# KiCad board Tartarus Liquid Rocketry Control System.kicad_pcb
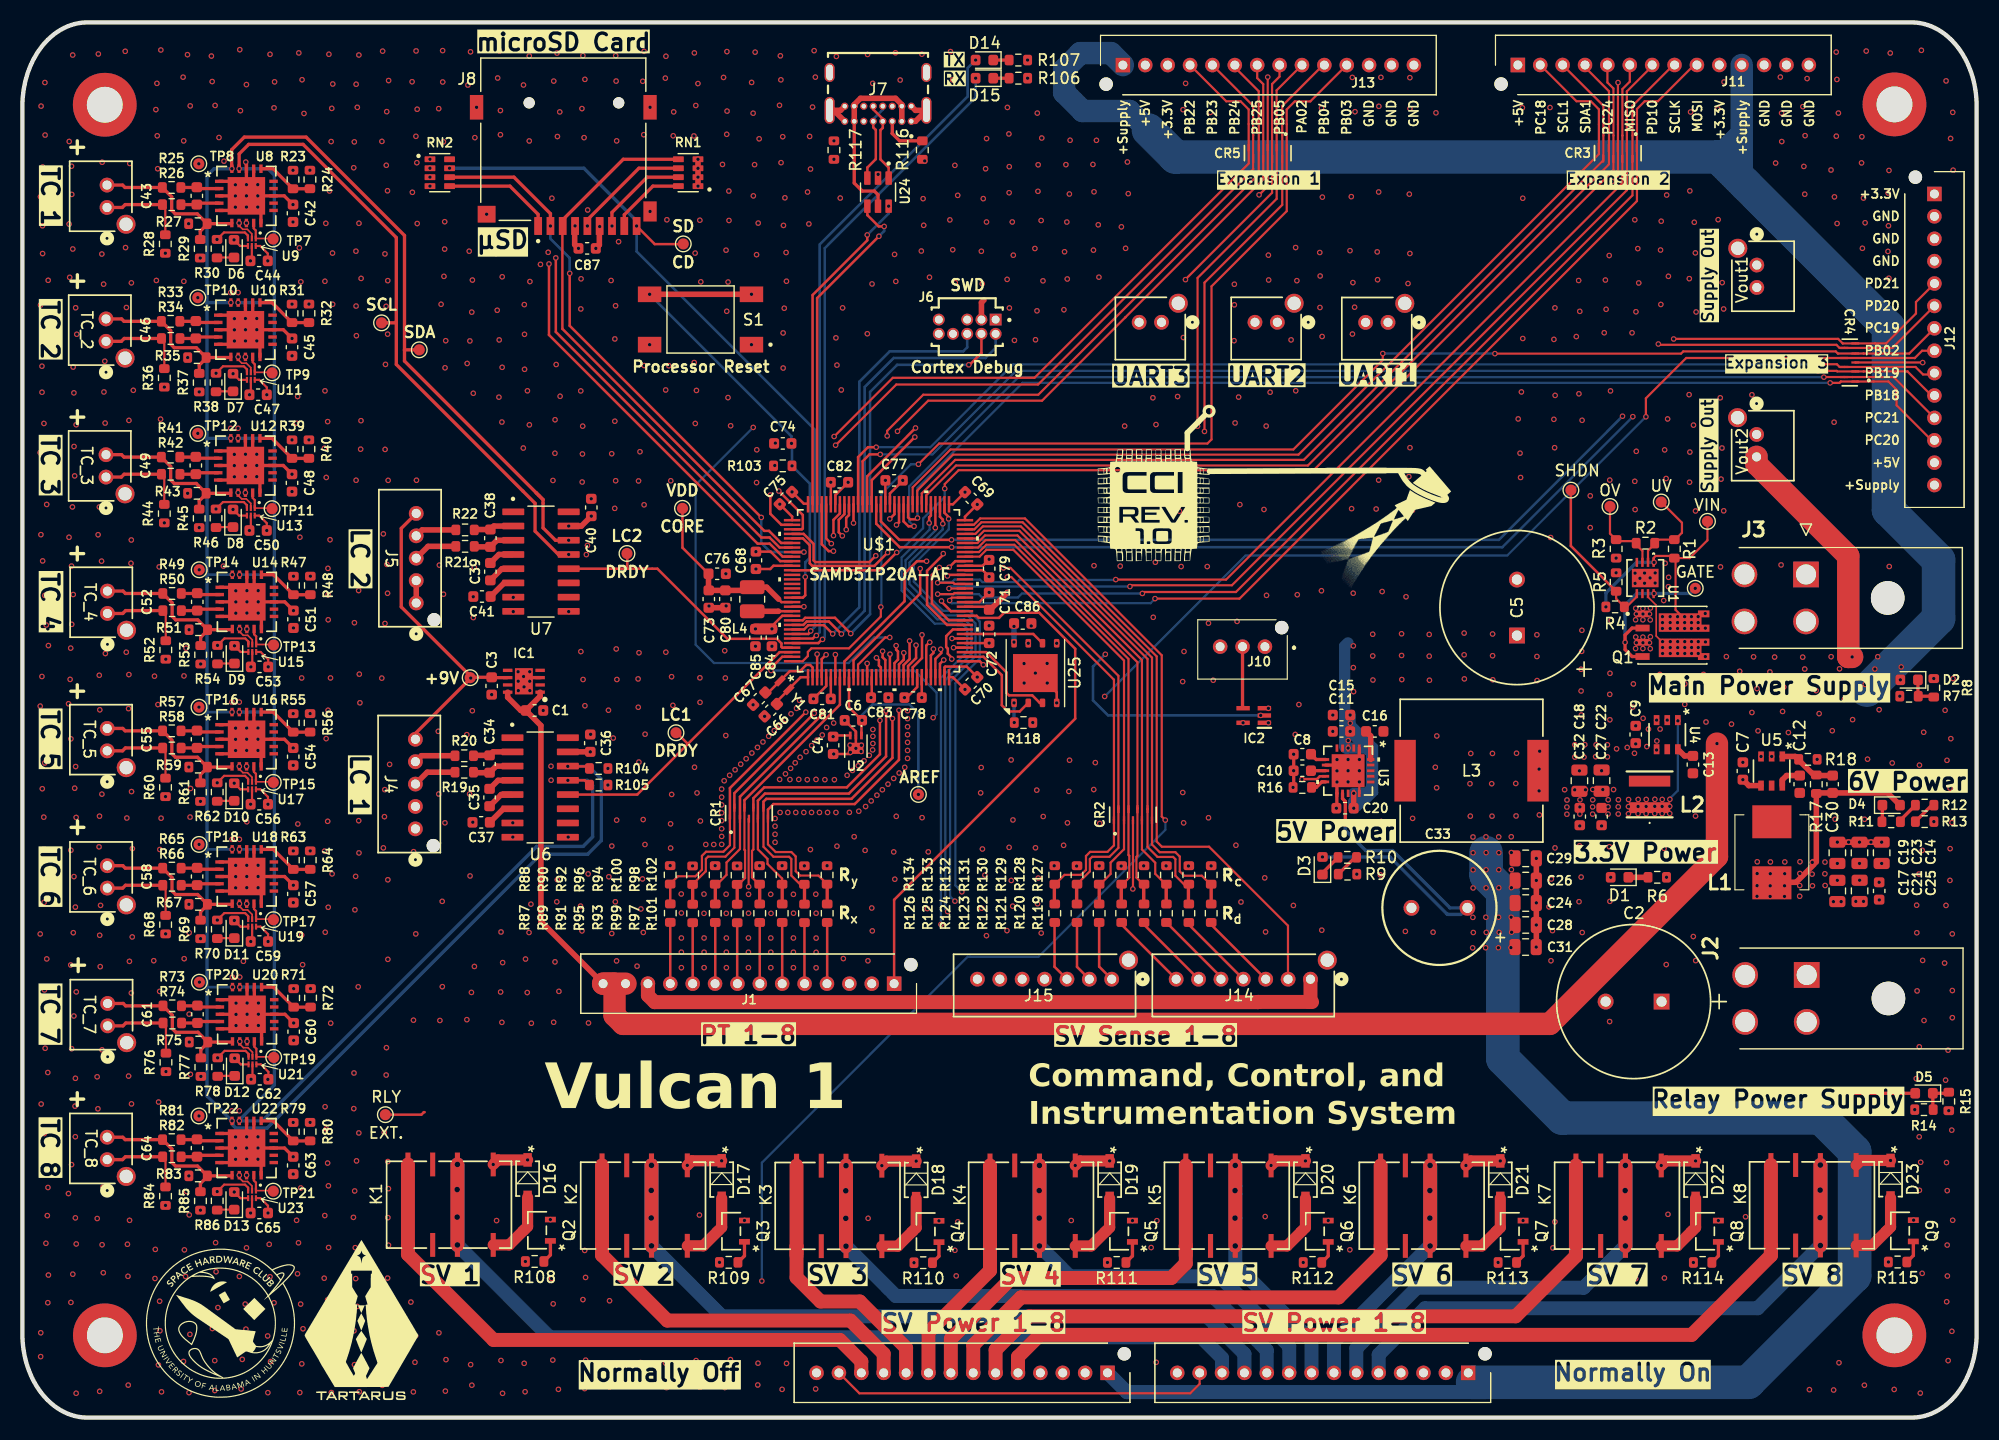
[diagram p0: board, top side]
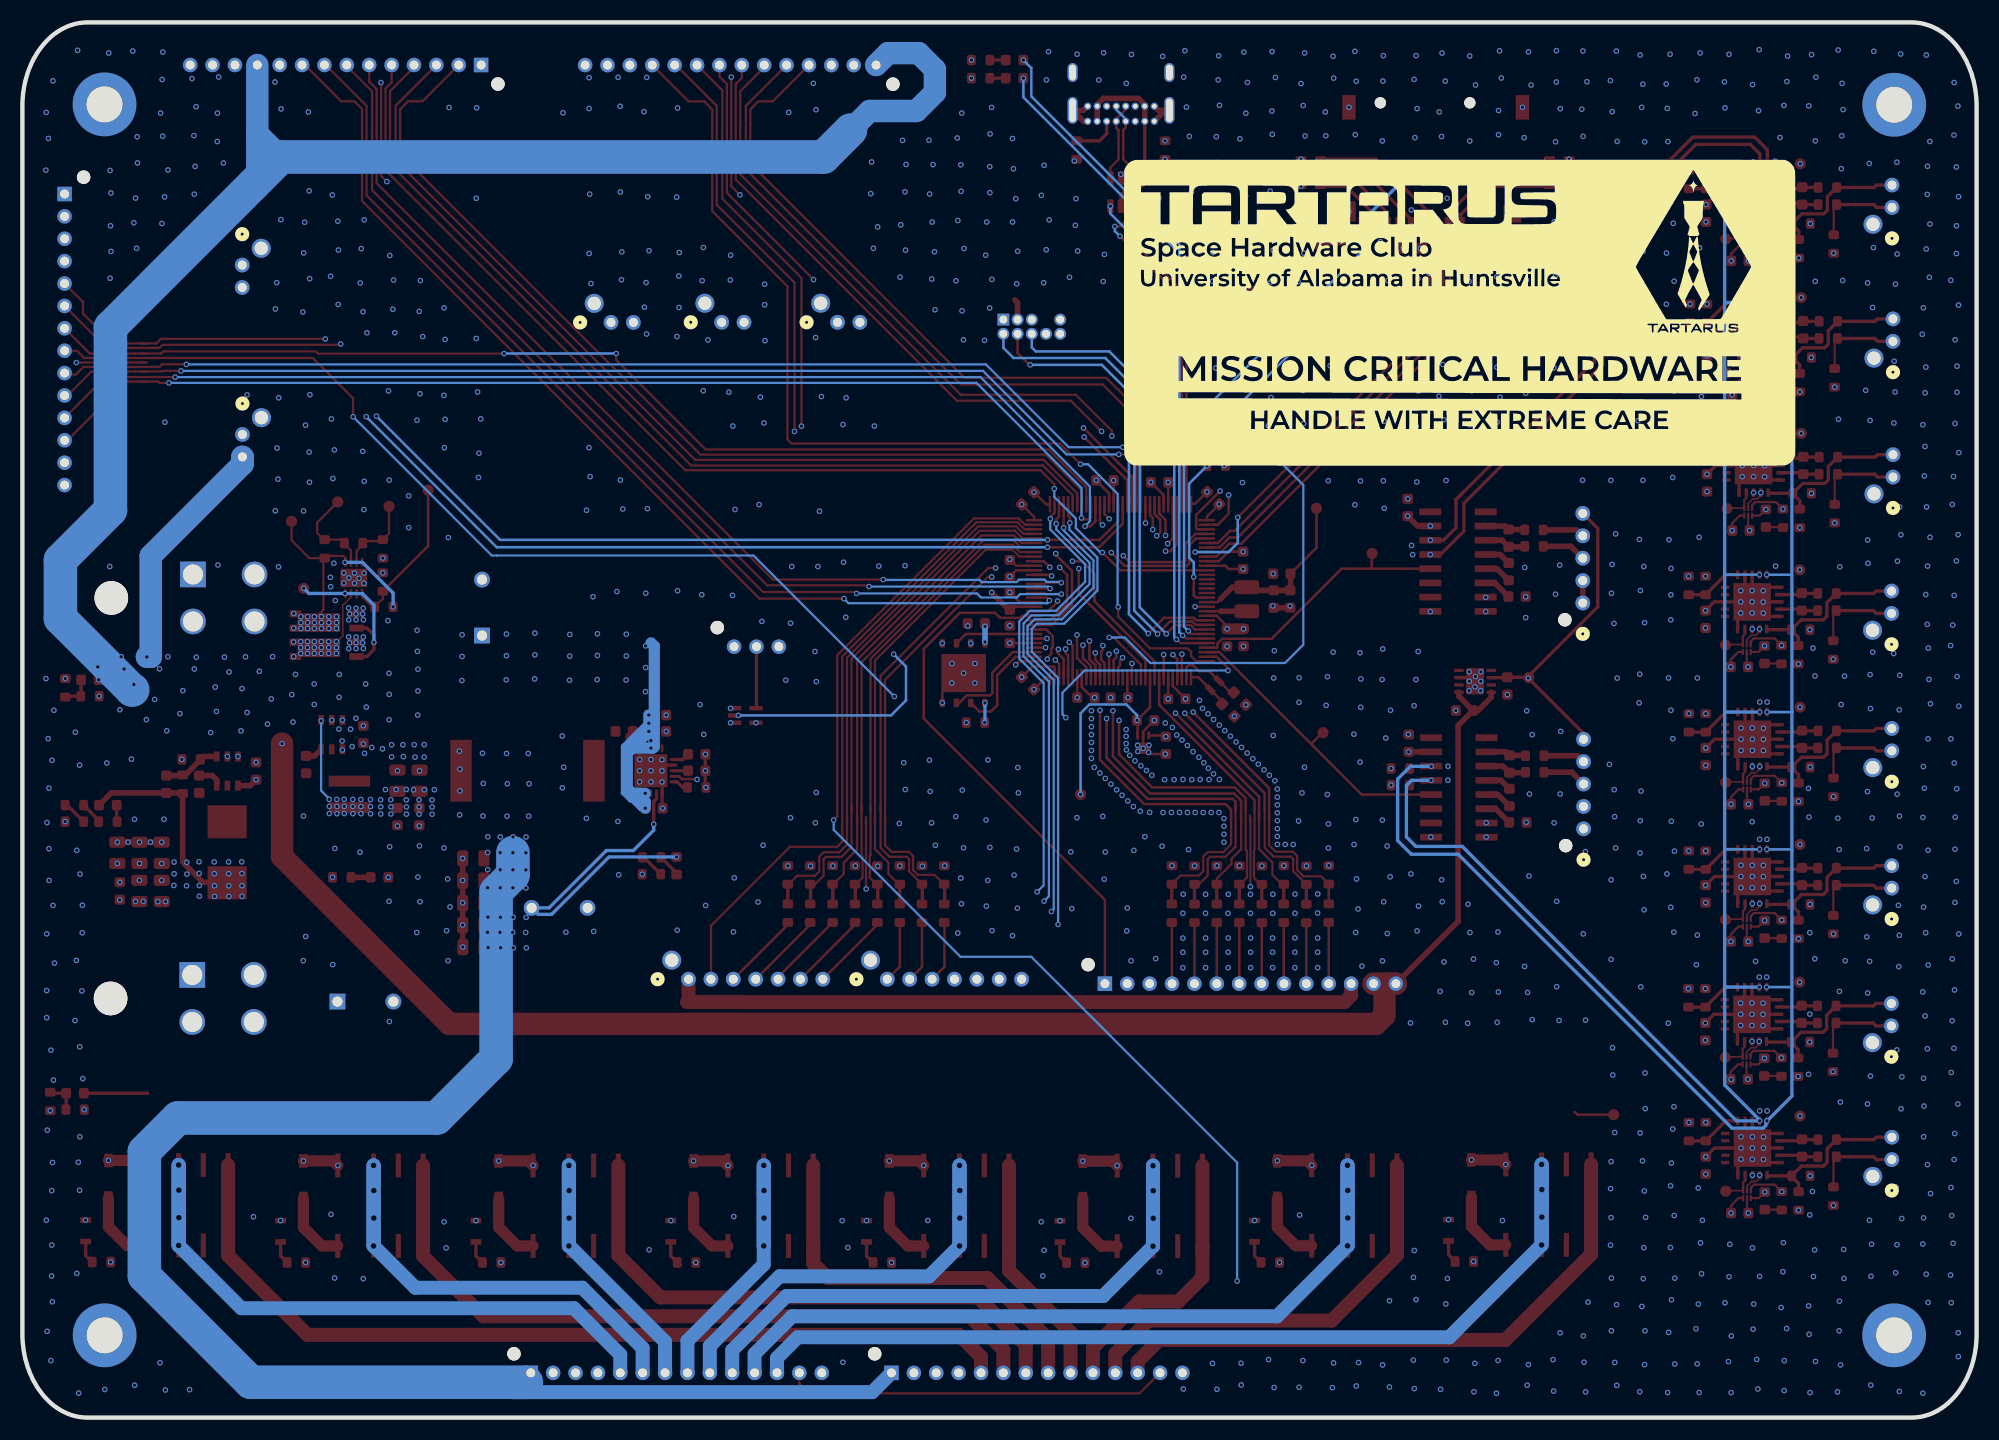
[diagram p1: board, bottom side, seen from below]

Outline 174.61 x 124.61 mm; copper layers: Top, In1.Cu, In2.Cu, In3.Cu, In4.Cu, Bottom. Coordinates in mm from the lower left corner of the outline.
Outline path: 0.01,117.52 0.03,117.9 0.12,118.64 0.26,119.36 0.46,120.04 0.7,120.7 0.99,121.31 1.33,121.89 1.7,122.42 1.91,122.67 2.12,122.9 2.34,123.13 2.57,123.33 2.8,123.53 3.05,123.71 3.3,123.87 3.55,124.02 3.82,124.16 4.09,124.27 4.37,124.38 4.65,124.46 4.93,124.52 5.23,124.57 5.52,124.6 5.82,124.61 168.79,124.61 169.09,124.6 169.39,124.57 169.68,124.52 169.96,124.46 170.24,124.38 170.52,124.27 170.79,124.16 171.06,124.02 171.31,123.87 171.56,123.71 171.81,123.53 172.04,123.33 172.27,123.13 172.49,122.9 172.7,122.67 172.91,122.42 173.1,122.16 173.28,121.89 173.45,121.61 173.62,121.31 173.77,121.01 173.91,120.7 174.04,120.38 174.15,120.04 174.26,119.7 174.35,119.36 174.43,119 174.49,118.64 174.54,118.27 174.58,117.9 174.6,117.52 174.61,117.13 174.61,7.48 174.6,7.09 174.58,6.71 174.49,5.97 174.35,5.25 174.15,4.57 173.91,3.91 173.62,3.3 173.28,2.72 172.91,2.19 172.7,1.94 172.49,1.71 172.27,1.49 172.04,1.28 171.81,1.08 171.56,0.9 171.31,0.74 171.06,0.59 170.79,0.45 170.52,0.34 170.24,0.24 169.96,0.15 169.68,0.09 169.39,0.04 169.09,0.01 168.79,0 5.82,0 5.52,0.01 5.23,0.04 4.93,0.09 4.65,0.15 4.37,0.24 4.09,0.34 3.82,0.45 3.55,0.59 3.3,0.74 3.05,0.9 2.8,1.08 2.57,1.28 2.34,1.49 2.12,1.71 1.91,1.94 1.7,2.19 1.51,2.45 1.33,2.72 1.16,3 0.99,3.3 0.84,3.6 0.7,3.91 0.57,4.24 0.46,4.57 0.35,4.91 0.26,5.25 0.18,5.61 0.12,5.97 0.07,6.34 0.03,6.71 0.01,7.09 0,7.48 0,117.13 closed
Stack: Top 0.035mm / dielectric 0.203mm FR4 er 4.5 / In1.Cu 0.03mm / dielectric 0.25mm FR4 er 4.5 / In2.Cu 0.03mm / dielectric 0.513mm FR4 er 4.5 / In3.Cu 0.03mm / dielectric 0.25mm FR4 er 4.5 / In4.Cu 0.03mm / dielectric 0.203mm FR4 er 4.5 / Bottom 0.035mm

## Placement (name value [footprint] x y rotation side)
C1  10uF  [C_0603_1608Metric]  45.76 63.16 0 top
C2  680uF  [CAP_PY-13x20_KEM_A759PY687M1HAAE026]  146.46 37.16 180 top
C3  10uF  [C_0603_1608Metric]  41.93 65.35 270 top
C4  0u1  [C_0603_1608Metric]  72.44 60.04 270 top
C5  680uF  [CAP_PY-13x20_KEM_A759PY687M1HAAE026]  133.54 69.85 90 top
C6  0u1  [C_0603_1608Metric]  74.25 62.27 180 top
C7  10uF  [C_0603_1608Metric]  153.73 57.75 270 top
C8  2u2F  [C_0603_1608Metric]  114.36 59.25 180 top
C9  10uF  [C_0603_1608Metric]  144.15 61.01 270 top
C10  5600pF  [C_0603_1608Metric]  114.36 57.78 180 top
C11  4u7F  [C_0603_1608Metric]  117.86 61.29 180 top
C12  100nF  [C_0603_1608Metric]  158.81 56.57 270 top
C13  100nF  [C_0603_1608Metric]  149.26 58.32 270 top
C14  22uF  [C_0805_2012Metric]  166.13 50.44 90 top
C15  4u7F  [C_0603_1608Metric]  117.86 62.75 180 top
C16  0u1  [C_0603_1608Metric]  120.84 61.29 180 top
C17  22uF  [C_0805_2012Metric]  162.16 47.04 270 top
C18  22uF  [C_0805_2012Metric]  139.12 56.88 90 top
C19  22uF  [C_0805_2012Metric]  162.17 50.44 90 top
C20  4u7F  [C_0603_1608Metric]  118.18 54.43 180 top
C21  22uF  [C_0805_2012Metric]  164.16 47.04 270 top
C22  22uF  [C_0805_2012Metric]  141.1 56.89 90 top
C23  22uF  [C_0805_2012Metric]  164.15 50.44 90 top
C24  22uF  [C_0805_2012Metric]  134.32 45.96 0 top
C25  4u7F  [C_0603_1608Metric]  165.9 47.04 270 top
C26  22uF  [C_0805_2012Metric]  134.32 47.97 0 top
C27  4u7F  [C_0603_1608Metric]  141.1 53.68 270 top
C28  22uF  [C_0805_2012Metric]  134.32 44 0 top
C29  22uF  [C_0805_2012Metric]  134.32 49.95 0 top
C30  100pF  [C_0603_1608Metric]  161.75 56.57 90 top
C31  22uF  [C_0805_2012Metric]  134.31 42.03 0 top
C32  1uF  [C_0603_1608Metric]  139.15 53.68 270 top
C33  220uF  [WCAP-PTHR_10X12.5_DXL_870055675009]  126.61 45.53 0 top
C34  0u1F  [C_0603_1608Metric]  41.74 58.37 270 top
C35  470pF  [C_0603_1608Metric]  41.74 55.38 270 top
C36  0u1F  [C_0603_1608Metric]  50.74 60.24 270 top
C37  0u1F  [C_0603_1608Metric]  40.99 53.16 0 top
C38  0u1F  [C_0603_1608Metric]  41.81 78.54 270 top
C39  470pF  [C_0603_1608Metric]  41.81 75.55 270 top
C40  0u1F  [C_0603_1608Metric]  50.83 81.29 270 top
C41  0u1F  [C_0603_1608Metric]  41.06 73.33 0 top
C42  0u1  [C_0603_1608Metric]  24.18 107.56 90 top
C43  0u1  [C_0603_1608Metric]  15.59 109.12 270 top
C44  0u1  [C_0603_1608Metric]  21.15 103.31 0 top
C45  0u1  [C_0603_1608Metric]  24.09 95.61 90 top
C46  0u1  [C_0603_1608Metric]  15.5 97.16 270 top
C47  0u1  [C_0603_1608Metric]  21.06 91.36 0 top
C48  0u1  [C_0603_1608Metric]  24.09 83.48 90 top
C49  0u1  [C_0603_1608Metric]  15.5 85.04 270 top
C50  0u1  [C_0603_1608Metric]  21.06 79.23 0 top
C51  0u1  [C_0603_1608Metric]  24.22 71.3 90 top
C52  0u1  [C_0603_1608Metric]  15.63 72.86 270 top
C53  0u1  [C_0603_1608Metric]  21.19 67.05 0 top
C54  0u1  [C_0603_1608Metric]  24.2 59.03 90 top
C55  0u1  [C_0603_1608Metric]  15.6 60.59 270 top
C56  0u1  [C_0603_1608Metric]  21.17 54.78 0 top
C57  0u1  [C_0603_1608Metric]  24.21 46.77 90 top
C58  0u1  [C_0603_1608Metric]  15.61 48.33 270 top
C59  0u1  [C_0603_1608Metric]  21.18 42.52 0 top
C60  0u1  [C_0603_1608Metric]  24.24 34.47 90 top
C61  0u1  [C_0603_1608Metric]  15.64 36.02 270 top
C62  0u1  [C_0603_1608Metric]  21.21 30.22 0 top
C63  0u1  [C_0603_1608Metric]  24.2 22.52 90 top
C64  0u1  [C_0603_1608Metric]  15.6 24.08 270 top
C65  0u1  [C_0603_1608Metric]  21.17 18.27 0 top
C66  12pF  [C_0603_1608Metric]  66.87 63.18 45 top
C67  12pF  [C_0603_1608Metric]  65.84 64.21 45 top
C68  0u1F  [C_0603_1608Metric]  65.54 76.57 90 top
C69  0u1F  [C_0603_1608Metric]  84.77 82.11 315 top
C70  0u1F  [C_0603_1608Metric]  84.77 65.59 45 top
C71  0u1F  [C_0603_1608Metric]  86.38 72.93 270 top
C72  0u1F  [C_0603_1608Metric]  86.38 69.95 90 top
C73  0u1F  [C_0603_1608Metric]  61.33 73.11 270 top
C74  0u1F  [C_0603_1608Metric]  67.94 87.01 180 top
C75  0u1F  [C_0603_1608Metric]  68.22 82.13 45 top
C76  1uF  [C_0603_1608Metric]  62.08 75.37 0 top
C77  0u1F  [C_0603_1608Metric]  77.89 83.71 0 top
C78  0u1F  [C_0603_1608Metric]  79.59 64.31 0 top
C79  0u1F  [C_0603_1608Metric]  86.38 75.83 270 top
C80  10uF  [C_0603_1608Metric]  62.81 73.11 270 top
C81  0u1F  [C_0603_1608Metric]  71.46 64.2 180 top
C82  0u1F  [C_0603_1608Metric]  73.01 83.54 0 top
C83  0u1F  [C_0603_1608Metric]  76.6 64.31 0 top
C84  0u1F  [C_0603_1608Metric]  66.97 69.67 270 top
C85  0u1F  [C_0603_1608Metric]  65.5 69.67 270 top
C86  0u1F  [C_0603_1608Metric]  89.38 70.93 0 top
C87  1uF  [C_0603_1608Metric]  50.46 104.43 0 top
CR1  AQ7538-08UTG  [uDFN-9_3p8x1p0_LTF]  64.92 53.99 90 top
CR2  AQ7538-08UTG  [uDFN-9_3p8x1p0_LTF]  99.23 53.85 90 top
CR3  AQ7538-08UTG  [uDFN-9_3p8x1p0_LTF]  142.55 112.93 270 top
CR4  AQ7538-08UTG  [uDFN-9_3p8x1p0_LTF]  163.28 94.24 180 top
CR5  AQ7538-08UTG  [uDFN-9_3p8x1p0_LTF]  111.27 112.93 270 top
D1  LEDG  [LED_0603_1608Metric]  142.7 48.26 180 top
D2  LEDG  [LED_0603_1608Metric]  168.58 65.89 180 top
D3  LEDG  [LED_0603_1608Metric]  116.16 49.29 90 top
D4  LEDG  [LED_0603_1608Metric]  166.98 54.7 0 top
D5  LEDG  [LED_0603_1608Metric]  169.91 28.97 180 top
D6  LEDR  [LED_0603_1608Metric]  18.91 104.4 90 top
D7  LEDR  [LED_0603_1608Metric]  18.82 92.45 90 top
D8  LEDR  [LED_0603_1608Metric]  18.82 80.32 90 top
D9  LEDR  [LED_0603_1608Metric]  18.95 68.14 90 top
D10  LEDR  [LED_0603_1608Metric]  18.93 55.87 90 top
D11  LEDR  [LED_0603_1608Metric]  18.94 43.61 90 top
D12  LEDR  [LED_0603_1608Metric]  18.97 31.31 90 top
D13  LEDR  [LED_0603_1608Metric]  18.93 19.36 90 top
D14  LEDA  [LED_0603_1608Metric]  85.96 119.63 180 top
D15  LEDA  [LED_0603_1608Metric]  85.96 121.25 180 top
D16  -  [MMSD701T1G]  45.14 21.34 270 top
D17  -  [MMSD701T1G]  62.48 21.26 270 top
D18  -  [MMSD701T1G]  79.86 21.23 270 top
D19  -  [MMSD701T1G]  97.15 21.25 270 top
D20  -  [MMSD701T1G]  114.64 21.25 270 top
D21  -  [MMSD701T1G]  132.05 21.25 270 top
D22  -  [MMSD701T1G]  149.5 21.25 270 top
D23  -  [MMSD701T1G]  166.92 21.29 270 top
G***  -  [LOGO]  17.7 8.42 0 top
H1  MountingHole  [MountingHole_3.2mm_M3_ISO7380_Pad_TopBottom]  7.36 117.25 0 top
H2  MountingHole  [MountingHole_3.2mm_M3_ISO7380_Pad_TopBottom]  167.27 117.29 0 top
H3  MountingHole  [MountingHole_3.2mm_M3_ISO7380_Pad_TopBottom]  167.26 7.35 0 top
H4  MountingHole  [MountingHole_3.2mm_M3_ISO7380_Pad_TopBottom]  7.37 7.35 0 top
IC1  RTQ2569-90GQW-QA  [SON65P300X300X80-9N]  44.81 65.76 180 top
IC2  SN74LV1T126DCKRG4  [SOT65P210X110-5N]  110.02 62.71 180 top
J1  B14B-PASK-1__LF__SN_  [B14BPASK1LFSN]  77.89 38.76 0 top
J2  2601-3102  [Molex_2x2_1724480004]  159.43 39.54 90 top
J3  2601-3102  [Molex_2x2_1724480004]  159.37 75.31 90 top
J4  B05B-PASK-1  [CONN_B05B-PASK-1_JST]  35.12 52.59 270 top
J5  B05B-PASK-1  [CONN_B05B-PASK-1_JST]  35.19 72.76 270 top
J6  FTSH-105-X-X-DV-007-P-X  [SAMTEC_FTSH-105-01-X-D-007-K]  84.42 97.43 180 top
J7  USB4085-GF-A_REVB  [GCT_USB4085-GF-A_REVB]  76.45 120.14 180 top
J8  MSD-4-A  [CUI_MSD-4-A]  48.33 114.18 180 top
J10  B03B-PASK-1_LF__SN_  [B03BPASK1LFSN]  109.37 68.61 0 top
J11  B14B-PASK-1__LF__SN_  [B14BPASK1LFSN]  133.62 120.81 180 top
J12  B14B-PASK-1__LF__SN_  [B14BPASK1LFSN]  170.84 109.29 90 top
J13  B14B-PASK-1__LF__SN_  [B14BPASK1LFSN]  98.33 120.8 180 top
J14  B07B-PASK-1  [CONN_B07B-PASK-1_JST]  115.09 39.16 0 top
J15  B07B-PASK-1  [CONN_B07B-PASK-1_JST]  97.33 39.16 0 top
K1  AGQ200A06  [RELAY_AGQ_A_PAN_AGQ200A06]  38.12 19.02 270 top
K2  AGQ200A06  [RELAY_AGQ_A_PAN_AGQ200A06]  55.46 18.94 270 top
K3  AGQ200A06  [RELAY_AGQ_A_PAN_AGQ200A06]  72.84 18.91 270 top
K4  AGQ200A06  [RELAY_AGQ_A_PAN_AGQ200A06]  90.13 18.93 270 top
K5  AGQ200A06  [RELAY_AGQ_A_PAN_AGQ200A06]  107.62 18.93 270 top
K6  AGQ200A06  [RELAY_AGQ_A_PAN_AGQ200A06]  125.03 18.93 270 top
K7  AGQ200A06  [RELAY_AGQ_A_PAN_AGQ200A06]  142.48 18.93 270 top
K8  AGQ200A06  [RELAY_AGQ_A_PAN_AGQ200A06]  159.9 18.97 270 top
L1  10uH  [SRP7028A3R3M]  156.32 50.49 90 top
L2  4u7H  [74438357047]  145.39 55.66 90 top
L3  8u2H  [IND_CB_DRA127]  129.48 57.78 0 top
L4  10uH  [L_1008_2520Metric]  65.21 73.09 270 top
Q1  SI7252DP-T1-GE3  [TRANS_SI7942DP-T1-E3]  147.43 69.88 0 top
Q2  2N7002K  [2N7002K_ONS]  45.99 16.73 180 top
Q3  2N7002K  [2N7002K_ONS]  63.33 16.65 180 top
Q4  2N7002K  [2N7002K_ONS]  80.71 16.62 180 top
Q5  2N7002K  [2N7002K_ONS]  98 16.64 180 top
Q6  2N7002K  [2N7002K_ONS]  115.49 16.64 180 top
Q7  2N7002K  [2N7002K_ONS]  132.9 16.64 180 top
Q8  2N7002K  [2N7002K_ONS]  150.35 16.64 180 top
Q9  2N7002K  [2N7002K_ONS]  167.77 16.68 180 top
R1  5M62  [R_0603_1608Metric]  147.6 77.59 90 top
R2  184K  [R_0603_1608Metric]  145.02 78.1 180 top
R3  115K  [R_0603_1608Metric]  142.4 77.59 270 top
R4  510K  [R_0603_1608Metric]  142.31 72.41 0 top
R5  510K  [R_0603_1608Metric]  142.4 74.63 90 top
R6  100R  [R_0603_1608Metric]  146.08 48.26 180 top
R7  4K  [R_0603_1608Metric]  168.57 64.43 180 top
R8  4K  [R_0603_1608Metric]  170.78 65.18 90 top
R9  100R  [R_0603_1608Metric]  118.38 50.04 180 top
R10  100R  [R_0603_1608Metric]  118.4 48.54 180 top
R11  100R  [R_0603_1608Metric]  166.98 53.22 180 top
R12  100R  [R_0603_1608Metric]  169.97 54.7 180 top
R13  100R  [R_0603_1608Metric]  169.97 53.23 180 top
R14  4K  [R_0603_1608Metric]  169.91 27.51 180 top
R15  4K  [R_0603_1608Metric]  172.12 28.24 270 top
R16  51K1  [R_0603_1608Metric]  114.36 56.29 0 top
R17  100K  [R_0603_1608Metric]  160.29 56.57 90 top
R18  15K4  [R_0603_1608Metric]  159.54 58.79 0 top
R19  51  [R_0603_1608Metric]  39.48 57.64 0 top
R20  51  [R_0603_1608Metric]  39.48 59.11 0 top
R21  51  [R_0603_1608Metric]  39.55 77.81 0 top
R22  51  [R_0603_1608Metric]  39.55 79.28 0 top
R23  RB  [R_0603_1608Metric]  25.69 110.58 270 top
R24  RA  [R_0603_1608Metric]  24.18 110.58 90 top
R25  100R  [R_0603_1608Metric]  13.33 109.87 180 top
R26  100R  [R_0603_1608Metric]  13.34 108.34 180 top
R27  2M  [R_0603_1608Metric]  15.68 106.63 180 top
R28  487K  [R_0603_1608Metric]  12.77 104.82 90 top
R29  2.49M  [R_0603_1608Metric]  15.89 104.39 90 top
R30  100R  [R_0603_1608Metric]  17.39 104.4 270 top
R31  RB  [R_0603_1608Metric]  25.6 98.63 270 top
R32  RA  [R_0603_1608Metric]  24.09 98.62 90 top
R33  100R  [R_0603_1608Metric]  13.24 97.91 180 top
R34  100R  [R_0603_1608Metric]  13.25 96.38 180 top
R35  2M  [R_0603_1608Metric]  15.59 94.68 180 top
R36  487K  [R_0603_1608Metric]  12.68 92.86 90 top
R37  2.49M  [R_0603_1608Metric]  15.8 92.44 90 top
R38  100R  [R_0603_1608Metric]  17.3 92.45 270 top
R39  RB  [R_0603_1608Metric]  25.6 86.5 270 top
R40  RA  [R_0603_1608Metric]  24.09 86.5 90 top
R41  100R  [R_0603_1608Metric]  13.24 85.79 180 top
R42  100R  [R_0603_1608Metric]  13.25 84.26 180 top
R43  2M  [R_0603_1608Metric]  15.59 82.55 180 top
R44  487K  [R_0603_1608Metric]  12.68 80.74 90 top
R45  2.49M  [R_0603_1608Metric]  15.8 80.31 90 top
R46  100R  [R_0603_1608Metric]  17.3 80.32 270 top
R47  RB  [R_0603_1608Metric]  25.73 74.32 270 top
R48  RA  [R_0603_1608Metric]  24.22 74.32 90 top
R49  100R  [R_0603_1608Metric]  13.37 73.61 180 top
R50  100R  [R_0603_1608Metric]  13.38 72.08 180 top
R51  2M  [R_0603_1608Metric]  15.72 70.37 180 top
R52  487K  [R_0603_1608Metric]  12.81 68.56 90 top
R53  2.49M  [R_0603_1608Metric]  15.93 68.13 90 top
R54  100R  [R_0603_1608Metric]  17.43 68.14 270 top
R55  RB  [R_0603_1608Metric]  25.71 62.05 270 top
R56  RA  [R_0603_1608Metric]  24.2 62.05 90 top
R57  100R  [R_0603_1608Metric]  13.35 61.34 180 top
R58  100R  [R_0603_1608Metric]  13.36 59.81 180 top
R59  2M  [R_0603_1608Metric]  15.7 58.1 180 top
R60  487K  [R_0603_1608Metric]  12.79 56.29 90 top
R61  2.49M  [R_0603_1608Metric]  15.91 55.86 90 top
R62  100R  [R_0603_1608Metric]  17.41 55.87 270 top
R63  RB  [R_0603_1608Metric]  25.72 49.79 270 top
R64  RA  [R_0603_1608Metric]  24.21 49.79 90 top
R65  100R  [R_0603_1608Metric]  13.36 49.08 180 top
R66  100R  [R_0603_1608Metric]  13.37 47.55 180 top
R67  2M  [R_0603_1608Metric]  15.71 45.84 180 top
R68  487K  [R_0603_1608Metric]  12.8 44.03 90 top
R69  2.49M  [R_0603_1608Metric]  15.92 43.6 90 top
R70  100R  [R_0603_1608Metric]  17.42 43.61 270 top
R71  RB  [R_0603_1608Metric]  25.75 37.49 270 top
R72  RA  [R_0603_1608Metric]  24.24 37.48 90 top
R73  100R  [R_0603_1608Metric]  13.39 36.77 180 top
R74  100R  [R_0603_1608Metric]  13.4 35.24 180 top
R75  2M  [R_0603_1608Metric]  15.74 33.54 180 top
R76  487K  [R_0603_1608Metric]  12.83 31.73 90 top
R77  2.49M  [R_0603_1608Metric]  15.95 31.3 90 top
R78  100R  [R_0603_1608Metric]  17.45 31.31 270 top
R79  RB  [R_0603_1608Metric]  25.71 25.54 270 top
R80  RA  [R_0603_1608Metric]  24.2 25.54 90 top
R81  100R  [R_0603_1608Metric]  13.35 24.83 180 top
R82  100R  [R_0603_1608Metric]  13.36 23.3 180 top
R83  2M  [R_0603_1608Metric]  15.7 21.59 180 top
R84  487K  [R_0603_1608Metric]  12.79 19.78 90 top
R85  2.49M  [R_0603_1608Metric]  15.91 19.35 90 top
R86  100R  [R_0603_1608Metric]  17.41 19.36 270 top
R87  5K1  [R_0603_1608Metric]  57.89 45.06 90 top
R88  9K1  [R_0603_1608Metric]  57.88 48.48 90 top
R89  5K1  [R_0603_1608Metric]  59.89 45.03 90 top
R90  9K1  [R_0603_1608Metric]  59.88 48.45 90 top
R91  5K1  [R_0603_1608Metric]  61.91 45.05 90 top
R92  9K1  [R_0603_1608Metric]  61.9 48.47 90 top
R93  5K1  [R_0603_1608Metric]  65.88 45.05 90 top
R94  9K1  [R_0603_1608Metric]  65.87 48.47 90 top
R95  5K1  [R_0603_1608Metric]  63.87 45.03 90 top
R96  9K1  [R_0603_1608Metric]  63.86 48.45 90 top
R97  5K1  [R_0603_1608Metric]  69.88 45.04 90 top
R98  9K1  [R_0603_1608Metric]  69.87 48.46 90 top
R99  5K1  [R_0603_1608Metric]  67.89 45.05 90 top
R100  9K1  [R_0603_1608Metric]  67.88 48.47 90 top
R101  5K1  [R_0603_1608Metric]  71.91 45.05 90 top
R102  9K1  [R_0603_1608Metric]  71.9 48.47 90 top
R103  10K  [R_0603_1608Metric]  67.94 85.01 0 top
R104  4k7  [R_0603_1608Metric]  51.49 57.98 180 top
R105  4k7  [R_0603_1608Metric]  51.49 56.5 180 top
R106  1K  [R_0603_1608Metric]  88.99 119.63 180 top
R107  1K  [R_0603_1608Metric]  88.99 121.25 0 top
R108  4K  [R_0603_1608Metric]  45.77 13.95 180 top
R109  4K  [R_0603_1608Metric]  63.11 13.87 180 top
R110  4K  [R_0603_1608Metric]  80.49 13.84 180 top
R111  4K  [R_0603_1608Metric]  97.78 13.86 180 top
R112  4K  [R_0603_1608Metric]  115.27 13.86 180 top
R113  4K  [R_0603_1608Metric]  132.68 13.86 180 top
R114  4K  [R_0603_1608Metric]  150.13 13.86 180 top
R115  4K  [R_0603_1608Metric]  167.55 13.9 180 top
R116  5K1  [R_0603_1608Metric]  80.41 113.21 90 top
R117  5K1  [R_0603_1608Metric]  72.51 113.21 270 top
R118  10K  [R_0603_1608Metric]  89.45 62.08 0 top
R119  90K9  [R_0603_1608Metric]  106.22 45.05 90 top
R120  90K9  [R_0603_1608Metric]  104.22 45.05 90 top
R121  90K9  [R_0603_1608Metric]  102.22 45.05 90 top
R122  90K9  [R_0603_1608Metric]  100.22 45.05 90 top
R123  90K9  [R_0603_1608Metric]  98.22 45.05 90 top
R124  90K9  [R_0603_1608Metric]  96.21 45.05 90 top
R125  90K9  [R_0603_1608Metric]  94.23 45.05 90 top
R126  90K9  [R_0603_1608Metric]  92.24 45.05 90 top
R127  10K  [R_0603_1608Metric]  106.22 48.47 90 top
R128  10K  [R_0603_1608Metric]  104.22 48.47 90 top
R129  10K  [R_0603_1608Metric]  102.22 48.47 90 top
R130  10K  [R_0603_1608Metric]  100.22 48.47 90 top
R131  10K  [R_0603_1608Metric]  98.22 48.47 90 top
R132  1K  [R_0603_1608Metric]  96.21 48.47 90 top
R133  10K  [R_0603_1608Metric]  94.23 48.47 90 top
R134  10K  [R_0603_1608Metric]  92.24 48.47 90 top
Relay_Normally_Closed1  B14B-PASK-1__LF__SN_  [B14BPASK1LFSN]  129.19 4 0 top
Relay_Normally_Open1  B14B-PASK-1__LF__SN_  [B14BPASK1LFSN]  96.96 4 0 top
RN1  CAY16-4702F4LF  [CAY16_4702F4LF]  59.49 111.19 180 top
RN2  CAY16-4702F4LF  [CAY16_4702F4LF]  37.29 111.19 0 top
S1  TS04-66-50-BK-100-SMT  [SW_TS04-66-50-BK-100-SMT]  60.59 98.08 180 top
TC_1  B02B-PASK-1  [CONN_B02B-PASK-1_JST]  7.56 108.08 270 top
TC_2  B02B-PASK-1  [CONN_B02B-PASK-1_JST]  7.47 96.13 270 top
TC_3  B02B-PASK-1  [CONN_B02B-PASK-1_JST]  7.47 84 270 top
TC_4  B02B-PASK-1  [CONN_B02B-PASK-1_JST]  7.6 71.82 270 top
TC_5  B02B-PASK-1  [CONN_B02B-PASK-1_JST]  7.58 59.55 270 top
TC_6  B02B-PASK-1  [CONN_B02B-PASK-1_JST]  7.59 47.29 270 top
TC_7  B02B-PASK-1  [CONN_B02B-PASK-1_JST]  7.62 34.99 270 top
TC_8  B02B-PASK-1  [CONN_B02B-PASK-1_JST]  7.58 23.04 270 top
TP1  TestPoint  [TestPoint_Pad_D1.0mm]  40.01 66.09 0 top
TP2  TestPoint  [TestPoint_Pad_D1.0mm]  80.06 55.66 0 top
TP3  TestPoint  [TestPoint_Pad_D1.0mm]  32.43 27.06 0 top
TP4  TestPoint  [TestPoint_Pad_D1.0mm]  146.43 81.78 0 top
TP5  TestPoint  [TestPoint_Pad_D1.0mm]  32.09 97.78 0 top
TP6  TestPoint  [TestPoint_Pad_D1.0mm]  35.46 95.37 0 top
TP7  TestPoint  [TestPoint_Pad_D1.0mm]  22.4 105.26 0 top
TP8  TestPoint  [TestPoint_Pad_D1.0mm]  15.76 111.98 0 top
TP9  TestPoint  [TestPoint_Pad_D1.0mm]  22.31 93.31 0 top
TP10  TestPoint  [TestPoint_Pad_D1.0mm]  15.67 100.03 0 top
TP11  TestPoint  [TestPoint_Pad_D1.0mm]  22.31 81.18 0 top
TP12  TestPoint  [TestPoint_Pad_D1.0mm]  15.67 87.9 0 top
TP13  TestPoint  [TestPoint_Pad_D1.0mm]  22.44 69 0 top
TP14  TestPoint  [TestPoint_Pad_D1.0mm]  15.8 75.72 0 top
TP15  TestPoint  [TestPoint_Pad_D1.0mm]  22.42 56.73 0 top
TP16  TestPoint  [TestPoint_Pad_D1.0mm]  15.78 63.45 0 top
TP17  TestPoint  [TestPoint_Pad_D1.0mm]  22.43 44.47 0 top
TP18  TestPoint  [TestPoint_Pad_D1.0mm]  15.79 51.19 0 top
TP19  TestPoint  [TestPoint_Pad_D1.0mm]  22.46 32.17 0 top
TP20  TestPoint  [TestPoint_Pad_D1.0mm]  15.82 38.89 0 top
TP21  TestPoint  [TestPoint_Pad_D1.0mm]  22.42 20.22 0 top
TP22  TestPoint  [TestPoint_Pad_D1.0mm]  15.78 26.94 0 top
TP23  TestPoint  [TestPoint_Pad_D1.0mm]  58.4 61.17 0 top
TP24  TestPoint  [TestPoint_Pad_D1.0mm]  54.02 77.18 0 top
TP25  TestPoint  [TestPoint_Pad_D1.0mm]  59.05 104.83 0 top
TP26  TestPoint  [TestPoint_Pad_D1.0mm]  58.98 81.21 0 top
TP27  TestPoint  [TestPoint_Pad_D1.0mm]  141.85 81.38 0 top
TP28  TestPoint  [TestPoint_Pad_D1.0mm]  150.56 80.05 0 top
TP29  TestPoint  [TestPoint_Pad_D1.0mm]  138.36 82.84 0 top
TP30  TestPoint  [TestPoint_Pad_D1.0mm]  149.47 74.07 0 top
U1  LTC4367HDD-TRPBF  [DD_8_ADI]  145 74.99 270 top
U2  LT6660KCDC-3.3_TRMPBF  [IC_LT6660KCDC-3.3_TRMPBF]  74.47 59.97 270 top
U3  MAX17634BATP+  [MAX17634BATP]  118.45 57.78 270 top
U4  AP63203WU-7  [AP63203WU-7_DIO]  146.97 60.99 270 top
U5  AP63201WU-7  [AP63203WU-7_DIO]  156.3 57.75 270 top
U6  -  [NAU7802SGI]  46.26 56.28 0 top
U7  -  [NAU7802SGI]  46.34 76.45 0 top
U8  MCP9601T-E/MX  [MCP9601T_E_MX]  20.02 109.12 0 top
U9  SN74LVC1G32DSF2  [DSF6]  20.5 104.98 270 top
U10  MCP9601T-E/MX  [MCP9601T_E_MX]  19.93 97.16 0 top
U11  SN74LVC1G32DSF2  [DSF6]  20.41 93.02 270 top
U12  MCP9601T-E/MX  [MCP9601T_E_MX]  19.93 85.04 0 top
U13  SN74LVC1G32DSF2  [DSF6]  20.41 80.9 270 top
U14  MCP9601T-E/MX  [MCP9601T_E_MX]  20.06 72.86 0 top
U15  SN74LVC1G32DSF2  [DSF6]  20.54 68.72 270 top
U16  MCP9601T-E/MX  [MCP9601T_E_MX]  20.03 60.59 0 top
U17  SN74LVC1G32DSF2  [DSF6]  20.52 56.45 270 top
U18  MCP9601T-E/MX  [MCP9601T_E_MX]  20.04 48.33 0 top
U19  SN74LVC1G32DSF2  [DSF6]  20.53 44.19 270 top
U20  MCP9601T-E/MX  [MCP9601T_E_MX]  20.07 36.02 0 top
U21  SN74LVC1G32DSF2  [DSF6]  20.56 31.88 270 top
U22  MCP9601T-E/MX  [MCP9601T_E_MX]  20.03 24.08 0 top
U23  SN74LVC1G32DSF2  [DSF6]  20.52 19.94 270 top
U24  USBLC6-2SC6  [USBLC_6]  76.45 109.45 270 top
U25  GD25Q64ETIGR  [WSON-8-1EP_6x5mm_P1.27mm_EP3.4x4mm]  90.51 66.5 90 top
U$1  SAMD51PXXA  [SAMD51P20A-AF]  76.5 73.85 90 top
UART1  B02B-PASK-1  [CONN_B02B-PASK-1_JST]  122.02 97.82 0 top
UART2  B02B-PASK-1  [CONN_B02B-PASK-1_JST]  112.13 97.83 0 top
UART3  B02B-PASK-1  [CONN_B02B-PASK-1_JST]  101.78 97.83 0 top
Vout1  B02B-PASK-1  [CONN_B02B-PASK-1_JST]  154.97 102.94 90 top
Vout2  B02B-PASK-1  [CONN_B02B-PASK-1_JST]  154.95 87.81 90 top
Y1  32kHz  [WE-XTAL_IQXC-90]  68.09 65.41 315 top
